# Altium PCB FluidGuard(RX).PcbDoc (part 2 of 3)
Units mm, origin at the board's own origin, x right, y up, seen from the top; angles counter-clockwise.
Board outline 125 x 150 mm, 4 copper layers (Top Layer, Mid Layer 1(GND), Mid Layer 2(GND), Bottom Layer), stack 1.586 mm thick; 143 components, 112 nets, 606 pads, 682 vias.
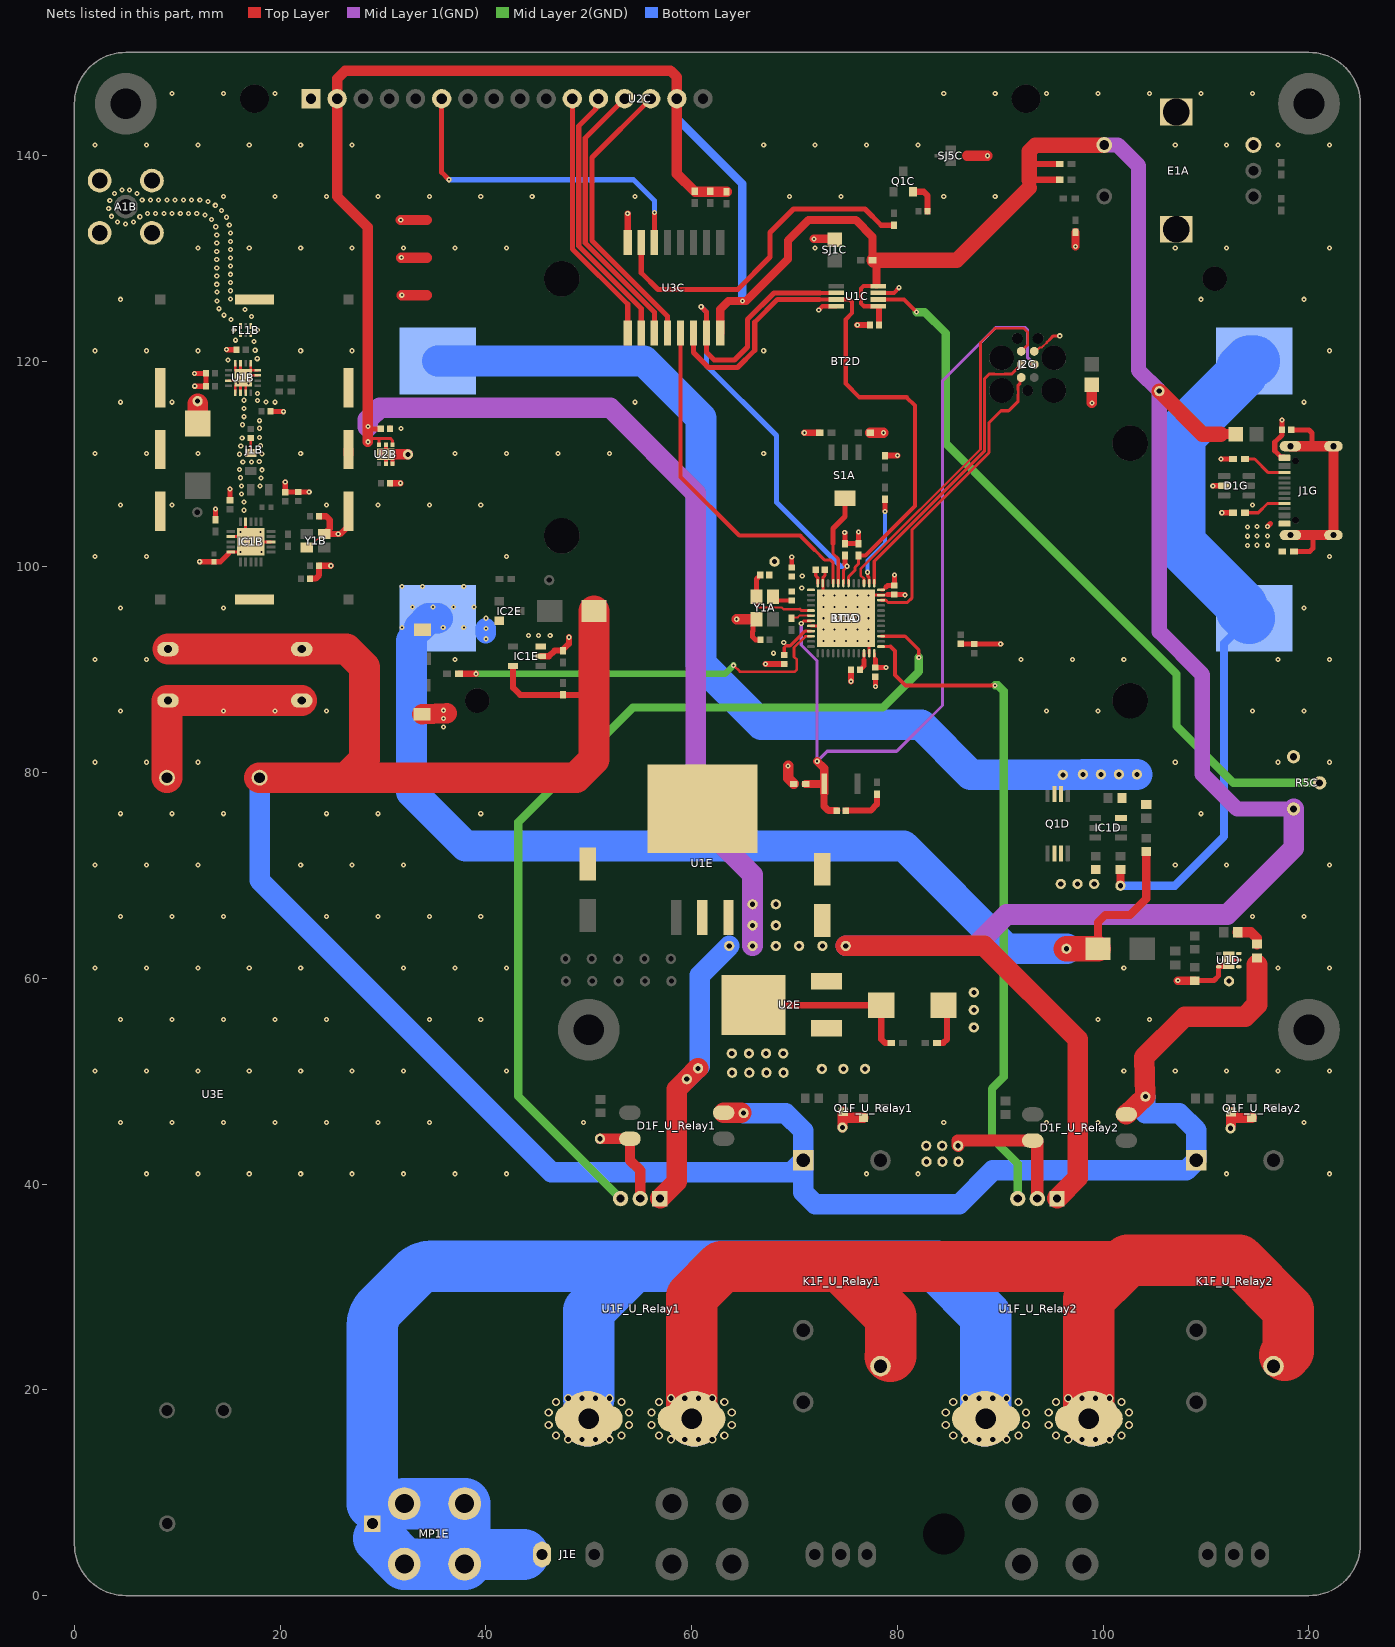
[diagram p4: the nets of this part, all layers, seen from the top]

## Part data (continued)
C6B: library part VJ0402A1R0BXQPW1BC, "CAP CER 1PF 10V C0G/NP0 0402", Device Package="0402 (1005 Metric)", Manufacturer="Vishay Vitramon", Operating Temperature="-55°C ~ 125°C", Supplier Part Number 1=720-VJ0402A1R0BXQPW1BCCT-ND, Temperature Coefficient="C0G, NP0", Tolerance=±0.1pF, Voltage - Rated=10V, Applications="General Purpose", Capacitance="1 pF", ComponentLink1Description=Datasheet, ComponentLink1URL=https://www.vishay.com/docs/28548/vjw1bcbascomseries.pdf, ComponentLink2Description="DigiKey Link", ComponentLink2URL=https://www.digikey.com/en/products/detail/vishay-vitramon/VJ0402A1R0BXQPW1BC/8301012, id=3394, LastUpdated=2023-01-03T20:03:41.757, Lifecycle Status=Active, Minimum Order=1, Mounting Type="Surface Mount, MLCC", Package / Case="0402 (1005 Metric)", Packaging=TapeAndReel, Part Number=VJ0402A1R0BXQPW1BC, Part Status=Active, PartId=26167, Price=0.01, Series=VJ, Size / Dimension="0.039\" L x 0.020\" W (1.00mm x 0.50mm)", Supplier 1=DigiKey, Thickness (Max)="0.022\" (0.55mm)"
C7B: library part KGM05ACG1H221FH, "CAP CER 220PF 50V NP0 0402", Device Package="0402 (1005 Metric)", Manufacturer="KYOCERA AVX", Operating Temperature="-55°C ~ 125°C", Supplier Part Number 1=478-KGM05ACG1H221FHCT-ND, Temperature Coefficient="C0G, NP0", Tolerance=±1%, Voltage - Rated=50V, Applications="General Purpose", Capacitance="220 pF", ComponentLink1Description=Datasheet, ComponentLink1URL=https://datasheets.kyocera-avx.com/C0GNP0-Dielectric.pdf, ComponentLink2Description="DigiKey Link", ComponentLink2URL=https://www.digikey.com/en/products/detail/kyocera-avx/KGM05ACG1H221FH/1597432, id=6699, LastUpdated=2023-05-20T19:03:18.857, Lifecycle Status=Active, Minimum Order=1, Mounting Type="Surface Mount, MLCC", Package / Case="0402 (1005 Metric)", Packaging=TapeAndReel, Part Number=KGM05ACG1H221FH, Part Status=Active, PartId=50371, Price=0.05, Series=-, Size / Dimension="0.039\" L x 0.020\" W (1.00mm x 0.50mm)", Supplier 1=DigiKey, Thickness (Max)="0.022\" (0.56mm)"
C8B C14B C15B: library part GRM155C81C105KE11D, "CAP CER 1UF 16V X6S 0402", Device Package="0402 (1005 Metric)", Manufacturer="Murata Electronics", Operating Temperature="-55°C ~ 105°C", Supplier Part Number 1=490-12700-1-ND, Temperature Coefficient=X6S, Tolerance=±10%, Voltage - Rated=16V, Applications="General Purpose", Capacitance="1 µF", ComponentLink1Description=Datasheet, ComponentLink1URL=https://search.murata.co.jp/Ceramy/image/img/A01X/G101/ENG/GRM155C81C105KE11-01.pdf, ComponentLink2Description="DigiKey Link", ComponentLink2URL=https://www.digikey.com/en/products/detail/murata-electronics/GRM155C81C105KE11D/4905091, id=824, LastUpdated=2023-01-03T20:04:13.167, Lifecycle Status=Active, Minimum Order=1, Mounting Type="Surface Mount, MLCC", Package / Case="0402 (1005 Metric)", Packaging=TapeAndReel, Part Number=GRM155C81C105KE11D, Part Status=Active, PartId=3683, Price=0.01, Series=GRM, Size / Dimension="0.039\" L x 0.020\" W (1.00mm x 0.50mm)", Supplier 1=DigiKey, Thickness (Max)="0.024\" (0.60mm)"
C9B: library part QSCF500Q0R3A1GV001T, "CAP CER 0.3PF 50V C0G/NP0 0402", Device Package="0402 (1005 Metric)", Manufacturer="Johanson Technology Inc.", Operating Temperature="-55°C ~ 125°C", Supplier Part Number 1=712-QSCF500Q0R3A1GV001TCT-ND, Temperature Coefficient="C0G, NP0", Tolerance=±0.05pF, Voltage - Rated=50V, Applications="RF, Microwave, High Frequency", Capacitance="0.3 pF", ComponentLink1Description=Datasheet, ComponentLink1URL=https://www.johansontechnology.com/downloads/catalog/johanson-technology-multi-layer-high-q-capacitors.pdf, ComponentLink2Description="DigiKey Link", ComponentLink2URL=https://www.digikey.com/en/products/detail/johanson-technology-inc/QSCF500Q0R3A1GV001T/1561513, Features="High Q, Low Loss, Ultra Low ESR", id=6223, LastUpdated=2023-04-03T19:03:42.407, Lifecycle Status=Active, Minimum Order=1, Mounting Type="Surface Mount, MLCC", Package / Case="0402 (1005 Metric)", Packaging=TapeAndReel, Part Number=QSCF500Q0R3A1GV001T, Part Status=Active, PartId=47766, Price=0.02, Series=S, Size / Dimension="0.040\" L x 0.020\" W (1.02mm x 0.51mm)", Supplier 1=DigiKey, Thickness (Max)="0.024\" (0.61mm)"
C10B: library part C0402C222J3GEC7411, "CAP CER 0402 2.2NF 25V C0G 5%", Capacitance="2200 pF", Device Package="0402 (1005 Metric)", Manufacturer=KEMET, Operating Temperature="-55°C ~ 125°C", Supplier Part Number 1=399-C0402C222J3GEC7411CT-ND, Temperature Coefficient="C0G, NP0", Tolerance=±5%, Voltage - Rated=25V, Applications="ESD Protection", ComponentLink1Description=Datasheet, ComponentLink1URL=https://api.kemet.com/component-edge/download/datasheet/C0402C222J3GEC7411.pdf, ComponentLink2Description="DigiKey Link", ComponentLink2URL=https://www.digikey.com/en/products/detail/kemet/C0402C222J3GEC7411/8645834, Features="Low ESL", id=4180, LastUpdated=2023-01-03T20:03:34.670, Lifecycle Status=Active, Minimum Order=1, Mounting Type="Surface Mount, MLCC", Package / Case="0402 (1005 Metric)", Packaging=TapeAndReel, Part Number=C0402C222J3GEC7411, Part Status=Active, PartId=33604, Price=0.01, Series="ESD SMD Comm C0G", Size / Dimension="0.039\" L x 0.020\" W (1.00mm x 0.50mm)", Supplier 1=DigiKey, Thickness (Max)="0.022\" (0.55mm)"
C11A C12A: library part LD02ZD104KAB2A, "CAP CER 0.1UF 10V X5R 0402", Device Package="0402 (1005 Metric)", Manufacturer="AVX Corporation", Operating Temperature="-55°C ~ 85°C", Supplier Part Number 1=478-4926-1-ND, Temperature Coefficient=X5R, Tolerance=±10%, Voltage - Rated=10V, Applications="General Purpose", Capacitance=0.1µF, ComponentLink1Description=Datasheet, ComponentLink1URL=http://datasheets.avx.com/LD-Series.pdf, ComponentLink2Description="DigiKey Link", ComponentLink2URL=http://digikey.com/product-detail/en/avx-corporation/LD02ZD104KAB2A/478-4926-1-ND/1858872, id=74, LastUpdated=2022-02-08T12:26:58.257, Lifecycle Status=Active, Minimum Order=1, Mounting Type="Surface Mount, MLCC", Package / Case="0402 (1005 Metric)", Packaging=TapeAndReel, Part Number=LD02ZD104KAB2A, Part Status=Active, PartId=1811, Price=0.20, Series=LD, Size / Dimension="0.039\" L x 0.020\" W (1.00mm x 0.50mm)", Supplier 1=DigiKey, Thickness (Max)="0.022\" (0.56mm)"
C11B: library part C0402C472K5RECAUTO, "CAP CER 0402 4.7NF 50V X7R 10%", Capacitance="4700 pF", Device Package="0402 (1005 Metric)", Manufacturer=KEMET, Operating Temperature="-55°C ~ 125°C", Ratings=AEC-Q200, Supplier Part Number 1=399-C0402C472K5RECAUTOCT-ND, Temperature Coefficient=X7R, Tolerance=±10%, Voltage - Rated=50V, Applications="Automotive, ESD Protection", ComponentLink1Description=Datasheet, ComponentLink1URL=https://api.kemet.com/component-edge/download/datasheet/C0402C472K5RECAUTO.pdf, ComponentLink2Description="DigiKey Link", ComponentLink2URL=https://www.digikey.com/en/products/detail/kemet/C0402C472K5RECAUTO/8646475, id=3941, LastUpdated=2023-01-03T20:03:32.387, Lifecycle Status=Active, Minimum Order=1, Mounting Type="Surface Mount, MLCC", Package / Case="0402 (1005 Metric)", Packaging=TapeAndReel, Part Number=C0402C472K5RECAUTO, Part Status=Active, PartId=33184, Price=0.01, Series="ESD SMD Auto X7R", Size / Dimension="0.039\" L x 0.020\" W (1.00mm x 0.50mm)", Supplier 1=DigiKey, Thickness (Max)="0.022\" (0.55mm)"
C12B C13B: library part 0402N220J250CT, "CAP CER 22PF 25V C0G/NP0 0402", Device Package="0402 (1005 Metric)", Manufacturer="Walsin Technology Corporation", Operating Temperature="-55°C ~ 125°C", Supplier Part Number 1=1292-1282-1-ND, Temperature Coefficient="C0G, NP0", Tolerance=±5%, Voltage - Rated=25V, Applications="General Purpose", Capacitance="22 pF", ComponentLink1Description=Datasheet, ComponentLink1URL=http://www.passivecomponent.com/wp-content/uploads/2018/10/MLCC.pdf, ComponentLink2Description="DigiKey Link", ComponentLink2URL=https://www.digikey.com/en/products/detail/walsin-technology-corporation/0402N220J250CT/9354779, id=507, LastUpdated=2023-01-03T20:04:15.580, Lifecycle Status=Active, Minimum Order=1, Mounting Type="Surface Mount, MLCC", Package / Case="0402 (1005 Metric)", Packaging=CutTape, Part Number=0402N220J250CT, Part Status=Active, PartId=2676, Price=0.01, Series=-, Size / Dimension="0.039\" L x 0.020\" W (1.00mm x 0.50mm)", Supplier 1=DigiKey, Thickness (Max)="0.022\" (0.55mm)"
D1A: library part HSMG-C280, "LED GREEN DIFFUSED 0402 SMD", Current - Test=20mA, Device Package="0402 (1005 Metric)", Lens Color=White, Manufacturer="Broadcom Limited", Millicandela Rating=15mcd, Supplier Device Package=0402, Supplier Part Number 1=516-3066-1-ND, Voltage - Forward (Vf) (Typ)=2.2V, Color=Green, ComponentLink1Description=Datasheet, ComponentLink1URL=https://docs.broadcom.com/docs/AV02-0602EN, ComponentLink2Description="DigiKey Link", ComponentLink2URL=https://www.digikey.com/en/products/detail/broadcom-limited/HSMG-C280/1235358, Configuration=Standard, Height (Max)=0.40mm, id=697, LastUpdated=2023-01-02T20:56:26.750, Lens Size="1.00mm x 0.50mm", Lens Style="Rectangle with Flat Top", Lens Transparency=Diffused, Lifecycle Status=Active, Minimum Order=1, Mounting Type="Surface Mount", Package / Case="0402 (1005 Metric)", Packaging=TapeAndReel, Part Number=HSMG-C280, Part Status=Active, PartId=697, Price=0.08, Series=-, Size / Dimension="1.00mm L x 0.50mm W", Supplier 1=DigiKey, Viewing Angle=130°, Wavelength - Dominant=572nm, Wavelength - Peak=570nm
D1D: "DIODE GEN PURP 50V 1A SMB", Capacitance @ Vr, F="15pF @ 4V, 1MHz", Current - Average Rectified (Io)=1A, Current - Reverse Leakage @ Vr="5 µA @ 50 V", Manufacturer="Diodes Incorporated", Operating Temperature - Junction="-65°C ~ 150°C", Package / Case="DO-214AA, SMB", Supplier Device Package=SMB, Supplier Part Number 1=RS1AB-FDICT-ND, Voltage - DC Reverse (Vr) (Max)="50 V", Voltage - Forward (Vf) (Max) @ If="1.3 V @ 1 A", ComponentLink1Description=Datasheet, ComponentLink1URL=https://www.diodes.com/assets/Datasheets/ds15002.pdf, ComponentLink2Description="DigiKey Link", ComponentLink2URL=https://www.digikey.com/en/products/detail/diodes-incorporated/RS1AB-13-F/814456, Diode Type=Standard, id=27, LastUpdated=2023-01-02T20:53:12.200, Lifecycle Status=Active, Minimum Order=1, Mounting Type="Surface Mount", Packaging=TapeAndReel, Part Number=RS1AB-13-F, Part Status=Active, PartId=27, Price=0.07, Reverse Recovery Time (Trr)="150 ns", Series=-, Speed="Fast Recovery =< 500ns, > 200mA (Io)", Supplier 1=DigiKey
D1E: "DIODE GEN PURP 50V 2A SMB", Capacitance @ Vr, F="25pF @ 4V, 1MHz", Current - Average Rectified (Io)=2A, Current - Reverse Leakage @ Vr="5 µA @ 50 V", Manufacturer="Diodes Incorporated", Operating Temperature - Junction="-55°C ~ 150°C", Package / Case="DO-214AA, SMB", Supplier Device Package=SMB, Supplier Part Number 1=ES2A-FDICT-ND, Voltage - DC Reverse (Vr) (Max)="50 V", Voltage - Forward (Vf) (Max) @ If="920 mV @ 2 A", ComponentLink1Description=Datasheet, ComponentLink1URL=https://www.diodes.com/assets/Datasheets/ds14002.pdf, ComponentLink2Description="DigiKey Link", ComponentLink2URL=https://www.digikey.com/en/products/detail/diodes-incorporated/ES2A-13-F/815105, Diode Type=Standard, id=319, LastUpdated=2023-01-02T20:53:06.797, Lifecycle Status=Active, Minimum Order=1, Mounting Type="Surface Mount", Packaging=TapeAndReel, Part Number=ES2A-13-F, Part Status=Active, PartId=319, Price=0.22, Reverse Recovery Time (Trr)="25 ns", Series=-, Speed="Fast Recovery =< 500ns, > 200mA (Io)", Supplier 1=DigiKey
D1F_U_Relay1 D1F_U_Relay2: "OPTOISOLATR 5KV TRANSISTOR 4-SMD", Current - Dc Forward (If) (Max)=50mA, Current Transfer Ratio (Max)="600% @ 5mA", Current Transfer Ratio (Min)="50% @ 5mA", Device Package="4-SMD, Gull Wing", Manufacturer="Lite-On Inc.", Operating Temperature="-30°C ~ 110°C", Supplier Device Package=4-SMD, Supplier Part Number 1=160-1893-1-ND, Voltage - Forward (Vf) (Typ)=1.2V, Voltage - Isolation=5000Vrms, Voltage - Output (Max)=35V, ComponentLink1Description=Datasheet, ComponentLink1URL=http://optoelectronics.liteon.com/upload/download/DS-70-96-0016/LTV-8X7%20series%20201610%20.pdf, ComponentLink2Description="DigiKey Link", ComponentLink2URL=http://digikey.com/product-detail/en/lite-on-inc/LTV-817S-TA1/160-1893-1-ND/3306757, Current - Output / Channel=50mA, id=2, Input Type=DC, LastUpdated=2020-01-12T21:58:48.100, Lifecycle Status=Active, Minimum Order=1, Mounting Type="Surface Mount", Number of Channels=1, Output Type=Transistor, Package / Case="4-SMD, Gull Wing", Packaging=TapeAndReel, Part Number=LTV-817S-TA1, Part Status=Active, Price=0.12, Rise / Fall Time (Typ)="4µs, 3µs", Series=-, Supplier 1=DigiKey, Vce Saturation (Max)=200mV
D1G: "Low-Capacitance ESD Protection USB", Manufacturer=STMicroelectronics, Distributor Link=https://www.mouser.de/ProductDetail/STMicroelectronics/USBLC6-2SC6?qs=po45yt2pPpu%2FhNIlwQdTlg%3D%3D, Manufacturer Part Number=USBLC6-2SC6
D2E: library part SM0402YC, "LED YELLOW CLEAR 0402 SMD", Current - Test=20mA, Device Package="0402 (1005 Metric)", Lens Color=Colorless, Manufacturer="Bivar Inc.", Millicandela Rating=145mcd, Supplier Device Package=0402, Supplier Part Number 1=492-2206-1-ND, Voltage - Forward (Vf) (Typ)=2V, Color=Yellow, ComponentLink1Description=Datasheet, ComponentLink1URL=https://www.bivar.com/Files/Datasheets/SM0402YC.pdf, ComponentLink2Description="DigiKey Link", ComponentLink2URL=https://www.digikey.com/en/products/detail/bivar-inc/SM0402YC/6810862, Configuration=0402, Height (Max)=0.71mm, id=170, LastUpdated=2023-01-02T20:57:30.187, Lens Size="0.50mm x 1.00mm", Lens Style="Rectangle with Flat Top", Lens Transparency=Clear, Lifecycle Status=Active, Minimum Order=1, Mounting Type="Surface Mount", Package / Case="0402 (1005 Metric)", Packaging=TapeAndReel, Part Number=SM0402YC, Part Status=Active, PartId=170, Price=0.16, Series=-, Size / Dimension="1.00mm L x 0.50mm W", Supplier 1=DigiKey, Viewing Angle=130°, Wavelength - Dominant=592nm, Wavelength - Peak=593nm
E1A: "ROTARY ENCODER MECHANICAL 12PPR", Capacitance=4315F, Manufacturer="Bourns Inc.", Manufacturer 1=Bourns, Max Operating Temperature=70°C, Min Operating Temperature=-30°C, Package Quantity=75, Supplier Part Number 1=PEC11R-4315F-S0012-ND, Actuator Type="6mm Dia Flatted End", Built in Switch=Yes, ComponentLink1Description=Datasheet, ComponentLink1URL=https://www.bourns.com/docs/Product-Datasheets/PEC11R.pdf, ComponentLink2Description="DigiKey Link", ComponentLink2URL=http://digikey.com/product-detail/en/bourns-inc/PEC11R-4315F-S0012/PEC11R-4315F-S0012-ND/4699232, Detent=Yes, Encoder Type=Mechanical, Height=13.4mm, id=3, LastUpdated=2020-06-25T15:43:11.617, Length=21.5mm, Lifecycle Status=Active, Manufacturer Part Number 1=PEC11R-4315F-S0012, Minimum Order=1, Mount="Through Hole,Panel,PCB", Mounting Type="Panel, PCB Through Hole", Number of Channels=2, Orientation=Vertical, Output Type="Quadrature (Incremental)", Packaging=Unknown, Part Number=PEC11R-4315F-S0012, Part Status=Active, Price=1.91, Pricing 1="1=1.91000, 10=1.68200, 25=1.50800, 50=1.45000, 100=1.39200, 250=1.33400, 500=1.10200, 1000=1.04400, 5000=0.87000 (USD)", Pulses per Revolution=12, RoHS=Yes, Rotational Life (Cycles Min)=30K, Series=PEC11R, Stock 1=453, Supplier 1=DigiKey, Termination="PC Pin", Termination Style="PC Pin", Width=12.5mm
FL1B: "Filter", Manufacturer_Name="JOHANSON TECHNOLOGY", Mouser Part Number=609-2450LP14A100T, Arrow Part Number=2450LP14A100T, Arrow Price/Stock=https://www.arrow.com/en/products/2450lp14a100t/johanson-dielectrics?region=nac, Datasheet Link=https://componentsearchengine.com/Datasheets/1/2450LP14A100T.pdf, Height=0.7mm, Manufacturer_Part_Number=2450LP14A100T, Mouser Price/Stock=https://www.mouser.co.uk/ProductDetail/Johanson-Technology/2450LP14A100T?qs=yCnrNFeXz%252BgP94nTCDCKIA%3D%3D, Supplier 1=Mouser, Supplier Part Number 1=609-2450LP14A100T
IC1B: "Integrated Circuit", Manufacturer_Name="Nordic Semiconductor", Mouser Part Number=949-NRF24L01P-R7, Arrow Part Number=NRF24L01P-R7, Arrow Price/Stock=null?region=nac, Datasheet Link=https://www.mouser.com/ds/2/297/nRF24L01P-1187709.pdf, Height=0.95mm, Manufacturer_Part_Number=NRF24L01P-R7, Mouser Price/Stock=https://www.mouser.co.uk/ProductDetail/Nordic-Semiconductor/nRF24L01P-R7?qs=yd0qOhnSiDe8zMRXiZkGiQ%3D%3D, Supplier 1=Avnet, Supplier Part Number 1=NRF24L01P-R7
IC1D: "BMS", Manufacturer_Name=Hycon, Datasheet Link=https://datasheet.lcsc.com/szlcsc/HYCON-Tech-HY2120CB_C116509.pdf, Height=1.4mm, Manufacturer_Part_Number=HY2120-CB
IC1E: "IC OPAMP GP 1 CIRCUIT SOT23-5", Current - Input Bias=45nA, Current - Output / Channel=40mA, Current - Supply=660µA, Device Package="SC-74A, SOT-753", Manufacturer="Texas Instruments", Operating Temperature="-40°C ~ 85°C", Supplier Device Package=SOT-23-5, Supplier Part Number 1=LM321MFX/NOPBCT-ND, Voltage - Input Offset=2mV, Voltage - Supply, Single/Dual (±)="3V ~ 30V, ±1.5V ~ 15V", Amplifier Type="General Purpose", ComponentLink1Description=Datasheet, ComponentLink1URL=http://www.ti.com/general/docs/suppproductinfo.tsp?distId=10&gotoUrl=http%3A%2F%2Fwww.ti.com%2Flit%2Fgpn%2Flm321, ComponentLink2Description="DigiKey Link", ComponentLink2URL=http://digikey.com/product-detail/en/texas-instruments/LM321MFX-NOPB/LM321MFX-NOPBCT-ND/3440175, Gain Bandwidth Product=1MHz, id=11, LastUpdated=2020-03-30T15:10:58.873, Lifecycle Status=Active, Minimum Order=1, Mounting Type="Surface Mount", Number Of Circuits=1, Package / Case="SC-74A, SOT-753", Packaging=TapeAndReel, Part Number=LM321MFX/NOPB, Part Status=Active, PartId=11, Price=0.23, Series=-, Slew Rate=0.4V/µs, Supplier 1=DigiKey
IC2E: "MOSFET P-CH 20V 2.4A SSOT-3", Current - Continuous Drain (Id) @ 25°C="2.4A (Ta)", Drain To Source Voltage (Vdss)=20V, Drive Voltage (Max Rds On,  Min Rds On)="1.8V, 4.5V", Input Capacitance (Ciss) (Max) @ Vds="1310pF @ 10V", Manufacturer="ON Semiconductor", Operating Temperature="-55°C ~ 150°C (TJ)", Package / Case="TO-236-3, SC-59, SOT-23-3", Power Dissipation (Max)="500mW (Ta)", Supplier Device Package=SuperSOT-3, Supplier Part Number 1=FDN304PZCT-ND, ComponentLink1Description=Datasheet, ComponentLink1URL=https://www.onsemi.com/pub/Collateral/FDN304PZ-D.pdf, ComponentLink2Description="DigiKey Link", ComponentLink2URL=http://digikey.com/product-detail/en/on-semiconductor/FDN304PZ/FDN304PZCT-ND/1849909, FET Type=P-Channel, Gate Charge (Qg) (Max) @ Vgs="20nC @ 4.5V", id=80, LastUpdated=2023-01-02T21:05:00.863, Lifecycle Status=Active, Minimum Order=1, Mounting Type="Surface Mount", Packaging=TapeAndReel, Part Number=FDN304PZ, Part Status=Active, Price=0.18, Rds On (Max) @ Id, Vgs="52mOhm @ 2.4A, 4.5V", Series=PowerTrench®, Supplier 1=DigiKey, Technology="MOSFET (Metal Oxide)", Vgs (Max)=±8V, Vgs(Th) (Max) @ Id="1.5V @ 250µA"
J1B: "RF Shield Frame 0.728 (18.50mm) X 1.156 (29.36mm) Solder", Package=None, Availability=Unavailable, DigiKey-Purchase-URL=https://snapeda.com/shop?store=DigiKey&id=587698, MF="Laird Technologies", Mouser-Purchase-URL=https://snapeda.com/shop?store=Mouser&id=587698, MP=BMI-S-209-F, Price=None, SnapEDA_Link=https://www.snapeda.com/parts/BMI-S-209-F/Laird%20Technologies%20EMI/view-part/587698/?ref=snap
J1E J1F_U_Relay1 J1F_U_Relay2: "TERM BLK 3P SIDE ENT 2.54MM PCB", Color=Green, Current=10A, Manufacturer="TE Connectivity AMP Connectors", Supplier Part Number 1=A98334-ND, Voltage=150V, ComponentLink1Description=Datasheet, ComponentLink1URL=https://www.te.com/commerce/DocumentDelivery/DDEController?Action=srchrtrv&DocNm=282834&DocType=Customer+Drawing&DocLang=English, ComponentLink2Description="DigiKey Link", ComponentLink2URL=http://digikey.com/product-detail/en/te-connectivity-amp-connectors/282834-3/A98334-ND/1153264, id=2, LastUpdated=2020-01-15T04:15:50.317, Lifecycle Status=Active, Mating Orientation="Horizontal with Board", Minimum Order=1, Mounting Type="Through Hole", Number Of Levels=1, Packaging=Bulk, Part Number=282834-3, Part Status=Active, Pitch="0.100\" (2.54mm)", Positions Per Level=3, Price=2.01, Series=Buchanan, Supplier 1=DigiKey, Wire Gauge="16-30 AWG", Wire Termination="Screw - Rising Cage Clamp"
J1G: "USB Connector Type C SMT 12 Pin", Manufacturer=GCT, Distributor Link=https://eu.mouser.com/ProductDetail/GCT/USB4105-GF-A-060?qs=QNEnbhJQKvY2mocwNJzgfA%3D%3D, Manufacturer Part Number=USB4105-GF-A-060
J2G: "Tag-Connect No-Solder SWD Debug Connector DO NOT PLACE", Manufacturer=Tag-Connect, Supplier Part Number 1=TC2030-MCP-NLTC-ND, Manufacturer Part Number=TC2030, Supplier 1=Digikey
K1F_U_Relay1 K1F_U_Relay2: library part CMP-08822-000109-1, "RELAY GEN PURPOSE SPDT 10A 12V", Coil Current=43.6mA, Coil Power=530mW, Coil Resistance=275R, Coil Voltage (DC)=12V, Contact Current Rating=10A, Max Operating Temperature=70°C, Max Voltage Rating (AC)=380V, Max Voltage Rating (DC)=125V, Min Operating Temperature=-40°C, Package Quantity=100, Coil Type=Non-Latching, Contact Material=Silver, Depth=13mm, Height=25.3mm, Lead Free="Lead Free", Length=29mm, Max Current Rating=10A, Mount="Through Hole", Number of Pins=5, Operate Time=15ms, Packaging=Tray, Power Consumption=530mW, Power Rating=530mW, Radiation Hardening=No, REACH SVHC="No SVHC", Relay Type="General Purpose", Release Time=5ms, Series=G2R, Termination="PC Pin", Throw Configuration=SPDT, Voltage Rating (AC)=380V, Weight=17g, Width=13mm
L1B: library part LQW18AS3N9G0ZD, "FIXED IND 3.9NH 700MA 80 MOHM", Current Rating (Amps)=700mA, DC Resistance (DCR)="80mOhm Max", Device Package="0603 (1608 Metric)", Frequency - Self Resonant=6.9GHz, Inductance Frequency - Test=250MHz, Manufacturer="Murata Electronics", Operating Temperature="-55°C ~ 125°C", Q @ Freq="22 @ 250MHz", Ratings=AEC-Q200, Supplier Part Number 1=490-15828-1-ND, Tolerance=±2%, ComponentLink1Description=Datasheet, ComponentLink1URL=https://search.murata.co.jp/Ceramy/image/img/P02/JELF243A-9139.pdf, ComponentLink2Description="DigiKey Link", ComponentLink2URL=http://digikey.com/product-detail/en/murata-electronics/LQW18AS3N9G0ZD/490-15828-1-ND/6800493, Height - Seated (Max)="0.039\" (1.00mm)", id=1055, Inductance=3.9nH, LastUpdated=2020-09-06T11:05:18.113, Lifecycle Status=Active, Material - Core=Non-Magnetic, Minimum Order=1, Mounting Type="Surface Mount", Package / Case="0603 (1608 Metric)", Packaging=TapeAndReel, Part Number=LQW18AS3N9G0ZD, Part Status=Active, PartId=1055, Price=0.08, Series=LQW18, Shielding=Unshielded, Size / Dimension="0.063\" L x 0.031\" W (1.60mm x 0.80mm)", Supplier 1=DigiKey, Supplier Device Package="0603 (1608 Metric)", Type=Wirewound
L2B: library part LQW18AS8N2G0ZD, "FIXED IND 8.2NH 700MA 115 MOHM", Current Rating (Amps)=700mA, DC Resistance (DCR)="115mOhm Max", Device Package="0603 (1608 Metric)", Frequency - Self Resonant=4.2GHz, Inductance Frequency - Test=250MHz, Manufacturer="Murata Electronics", Operating Temperature="-55°C ~ 125°C", Q @ Freq="30 @ 250MHz", Ratings=AEC-Q200, Supplier Part Number 1=490-15856-1-ND, Tolerance=±2%, ComponentLink1Description=Datasheet, ComponentLink1URL=https://search.murata.co.jp/Ceramy/image/img/P02/JELF243A-9139.pdf, ComponentLink2Description="DigiKey Link", ComponentLink2URL=http://digikey.com/product-detail/en/murata-electronics/LQW18AS8N2G0ZD/490-15856-1-ND/6800521, Height - Seated (Max)="0.039\" (1.00mm)", id=999, Inductance=8.2nH, LastUpdated=2020-09-06T11:05:17.697, Lifecycle Status=Active, Material - Core=Non-Magnetic, Minimum Order=1, Mounting Type="Surface Mount", Package / Case="0603 (1608 Metric)", Packaging=TapeAndReel, Part Number=LQW18AS8N2G0ZD, Part Status=Active, PartId=999, Price=0.08, Series=LQW18, Shielding=Unshielded, Size / Dimension="0.063\" L x 0.031\" W (1.60mm x 0.80mm)", Supplier 1=DigiKey, Supplier Device Package="0603 (1608 Metric)", Type=Wirewound
L3B: library part LQW15AN2N7G8ZD, "FIXED IND 2.7NH 1.5A 47MOHM SMD", Current Rating (Amps)="1.5 A", DC Resistance (DCR)="47mOhm Max", Device Package="0402 (1005 Metric)", Frequency - Self Resonant=14GHz, Inductance Frequency - Test="100 MHz", Manufacturer="Murata Electronics", Operating Temperature="-55°C ~ 125°C", Q @ Freq="28 @ 250MHz", Ratings=AEC-Q200, Supplier Part Number 1=490-15398-1-ND, Tolerance=±2%, ComponentLink1Description=Datasheet, ComponentLink1URL=https://search.murata.co.jp/Ceramy/image/img/P02/JELF243A-9138.pdf, ComponentLink2Description="DigiKey Link", ComponentLink2URL=https://www.digikey.com/en/products/detail/murata-electronics/LQW15AN2N7G8ZD/6798823, Height - Seated (Max)="0.024\" (0.60mm)", id=106, Inductance="2.7 nH", LastUpdated=2023-01-02T20:59:33.170, Lifecycle Status=Active, Material - Core=Non-Magnetic, Minimum Order=1, Mounting Type="Surface Mount", Package / Case="0402 (1005 Metric)", Packaging=TapeAndReel, Part Number=LQW15AN2N7G8ZD, Part Status=Active, PartId=106, Price=0.07, Series=LQW15, Shielding=Unshielded, Size / Dimension="0.039\" L x 0.024\" W (1.00mm x 0.60mm)", Supplier 1=DigiKey, Supplier Device Package="0402 (1005 Metric)", Type=Wirewound
MP1E MP1F_U_Relay1 MP1F_U_Relay2: "TERM REDCUBE M3 4PIN PCB", Current Rating (Amps)="50 A", Manufacturer="Würth Elektronik", Supplier Part Number 1=732-10885-1-ND, ComponentLink1Description=Datasheet, ComponentLink1URL=https://katalog.we-online.de/em/datasheet/74650173R.pdf, ComponentLink2Description="DigiKey Link", ComponentLink2URL=https://www.digikey.com/en/products/detail/würth-elektronik/74650173R/6643981, Features="Screw not Included", id=4, LastUpdated=2022-08-07T20:42:53.530, Lifecycle Status=Active, Minimum Order=1, Mounting Type="Through Hole", Number of Pins=4, Packaging=TapeAndReel, Part Number=74650173R, Part Status=Active, Price=2.63, Screw Size=M3, Series="REDCUBE WP-THRBU", Supplier 1=DigiKey, Terminal Type="Screw Terminal, Power Tap", Termination=Solder
Q1C Q1F_U_Relay1 Q1F_U_Relay2: "TRANS NPN 40V 0.6A SOT23-3", Current - Collector (Ic) (Max)="600 mA", Current - Collector Cutoff (Max)="10nA (ICBO)", DC Current Gain (Hfe) (Min) @ Ic, Vce="100 @ 150mA, 10V", Frequency - Transition=300MHz, Manufacturer="Diodes Incorporated", Operating Temperature="-55°C ~ 150°C (TJ)", Package / Case="TO-236-3, SC-59, SOT-23-3", Power - Max="310 mW", Supplier Device Package=SOT-23-3, Supplier Part Number 1=MMBT2222A-FDICT-ND, Voltage - Collector Emitter Breakdown (Max)="40 V", ComponentLink1Description=Datasheet, ComponentLink1URL=https://www.diodes.com/assets/Datasheets/ds30041.pdf, ComponentLink2Description="DigiKey Link", ComponentLink2URL=https://www.digikey.com/en/products/detail/diodes-incorporated/MMBT2222A-7-F/814503, id=84, LastUpdated=2023-01-02T21:11:05.533, Lifecycle Status=Active, Minimum Order=1, Mounting Type="Surface Mount", Packaging=TapeAndReel, Part Number=MMBT2222A-7-F, Part Status=Active, PartId=84, Price=0.02, Series="Automotive, AEC-Q101", Supplier 1=DigiKey, Transistor Type=NPN, Vce Saturation (Max) @ Ib, Ic="1V @ 50mA, 500mA"
Q1D: "N/A", Package=Package, Availability="Not in stock", Check_prices=https://www.snapeda.com/parts/FS8205A/Fortune+Semiconductor/view-part/?ref=eda, MF="Fortune Semiconductor", MP=FS8205A, Price=None, SnapEDA_Link=https://www.snapeda.com/parts/FS8205A/Fortune+Semiconductor/view-part/?ref=snap
R1A R2A: library part AC0402FR-074K7L, "RES SMD 4.7K OHM 1% 1/16W 0402", Device Package="0402 (1005 Metric)", Manufacturer=Yageo, Operating Temperature="-55°C ~ 155°C", Power (Watts)="0.063W, 1/16W", Ratings=AEC-Q200, Supplier Device Package=0402, Supplier Part Number 1=YAG3497CT-ND, Temperature Coefficient=±100ppm/°C, Tolerance=±1%, ComponentLink1Description=Datasheet, ComponentLink1URL=https://www.yageo.com/upload/media/product/productsearch/datasheet/rchip/PYu-AC_51_RoHS_L_7.pdf, ComponentLink2Description="DigiKey Link", ComponentLink2URL=https://www.digikey.com/en/products/detail/yageo/AC0402FR-074K7L/5895396, Composition="Thick Film", Features="Automotive AEC-Q200, Moisture Resistant", Height - Seated (Max)="0.015\" (0.37mm)", id=4996, LastUpdated=2023-01-02T20:21:09.847, Lifecycle Status=Active, Minimum Order=1, Number Of Terminations=2, Package / Case="0402 (1005 Metric)", Packaging=CutTape, Part Number=AC0402FR-074K7L, Part Status=Active, PartId=12051, Price=0.01, Resistance="4.7 kOhms", Series=AC, Size / Dimension="0.039\" L x 0.020\" W (1.00mm x 0.50mm)", Supplier 1=DigiKey
R1B: library part AC0402FR-1322KL, "RES 22K OHM 1% 1/16W 0402", Device Package="0402 (1005 Metric)", Manufacturer=Yageo, Operating Temperature="-55°C ~ 155°C", Power (Watts)="0.063W, 1/16W", Ratings=AEC-Q200, Supplier Device Package=0402, Supplier Part Number 1=13-AC0402FR-1322KLCT-ND, Temperature Coefficient=±100ppm/°C, Tolerance=±1%, ComponentLink1Description=Datasheet, ComponentLink1URL=https://www.yageo.com/upload/media/product/productsearch/datasheet/rchip/PYu-AC_51_RoHS_L_8.pdf, ComponentLink2Description="DigiKey Link", ComponentLink2URL=https://www.digikey.com/en/products/detail/yageo/AC0402FR-1322KL/14008249, Composition="Thick Film", Height - Seated (Max)="0.015\" (0.37mm)", id=12344, LastUpdated=2023-01-02T20:20:07.897, Lifecycle Status=Active, Minimum Order=1, Number Of Terminations=2, Package / Case="0402 (1005 Metric)", Packaging=CutTape, Part Number=AC0402FR-1322KL, Part Status=Active, PartId=65198, Price=0.01, Resistance="22 kOhms", Series=AC, Size / Dimension="0.039\" L x 0.020\" W (1.00mm x 0.50mm)", Supplier 1=DigiKey
R1C R2B R2C R3B R3C R4C: library part AC0402FR-1310KL, "RES 10K OHM 1% 1/16W 0402", Device Package="0402 (1005 Metric)", Manufacturer=Yageo, Operating Temperature="-55°C ~ 155°C", Power (Watts)="0.063W, 1/16W", Ratings=AEC-Q200, Supplier Device Package=0402, Supplier Part Number 1=13-AC0402FR-1310KLCT-ND, Temperature Coefficient=±100ppm/°C, Tolerance=±1%, ComponentLink1Description=Datasheet, ComponentLink1URL=https://www.yageo.com/upload/media/product/productsearch/datasheet/rchip/PYu-AC_51_RoHS_L_8.pdf, ComponentLink2Description="DigiKey Link", ComponentLink2URL=https://www.digikey.com/en/products/detail/yageo/AC0402FR-1310KL/12756397, Composition="Thick Film", Features="Automotive AEC-Q200, Moisture Resistant", Height - Seated (Max)="0.015\" (0.37mm)", id=13132, LastUpdated=2023-01-02T20:19:54.633, Lifecycle Status=Active, Minimum Order=1, Number Of Terminations=2, Package / Case="0402 (1005 Metric)", Packaging=CutTape, Part Number=AC0402FR-1310KL, Part Status=Active, PartId=69220, Price=0.01, Resistance="10 kOhms", Series=AC, Size / Dimension="0.039\" L x 0.020\" W (1.00mm x 0.50mm)", Supplier 1=DigiKey
R1D: library part RMCF0603FT1M62, "RES 1.62M OHM 1% 1/10W 0603", Device Package="0603 (1608 Metric)", Manufacturer="Stackpole Electronics Inc", Operating Temperature="-55°C ~ 155°C", Power (Watts)="0.1W, 1/10W", Ratings=AEC-Q200, Supplier Device Package=0603, Supplier Part Number 1=RMCF0603FT1M62CT-ND, Temperature Coefficient=±200ppm/°C, Tolerance=±1%, ComponentLink1Description=Datasheet, ComponentLink1URL=https://www.seielect.com/catalog/sei-rmcf_rmcp.pdf, ComponentLink2Description="DigiKey Link", ComponentLink2URL=https://www.digikey.com/en/products/detail/stackpole-electronics-inc/RMCF0603FT1M62/1713506, Composition="Thick Film", Features="Automotive AEC-Q200", Height - Seated (Max)="0.022\" (0.55mm)", id=12536, LastUpdated=2023-01-02T20:28:35.533, Lifecycle Status=Active, Minimum Order=1, Number Of Terminations=2, Package / Case="0603 (1608 Metric)", Packaging=CutTape, Part Number=RMCF0603FT1M62, Part Status=Active, PartId=26334, Price=0.01, Resistance="1.62 MOhms", Series=RMCF, Size / Dimension="0.061\" L x 0.031\" W (1.55mm x 0.80mm)", Supplier 1=DigiKey
R1E R2E R3A R5A R8A R9A R10A R11A R13A R14A R15A R16A: library part AA0402FR-0710KL, "RES SMD 10K OHM 1% 1/16W 0402", Device Package="0402 (1005 Metric)", Manufacturer=Yageo, Operating Temperature="-55°C ~ 155°C", Power (Watts)="0.063W, 1/16W", Ratings=AEC-Q200, Supplier Device Package=0402, Supplier Part Number 1=13-AA0402FR-0710KLCT-ND, Temperature Coefficient=±150ppm/°C, Tolerance=±1%, ComponentLink1Description=Datasheet, ComponentLink1URL=https://www.yageo.com/upload/media/product/productsearch/datasheet/rchip/PYu-AA_51_RoHS_L_3.pdf, ComponentLink2Description="DigiKey Link", ComponentLink2URL=https://www.digikey.com/en/products/detail/yageo/AA0402FR-0710KL/5887729, Composition="Thick Film", Features="Anti-Sulfur, Automotive AEC-Q200, Moisture Resistant", Height - Seated (Max)="0.015\" (0.37mm)", id=10610, LastUpdated=2023-01-02T20:20:10.303, Lifecycle Status=Active, Minimum Order=1, Number Of Terminations=2, Package / Case="0402 (1005 Metric)", Packaging=TapeAndReel, Part Number=AA0402FR-0710KL, Part Status=Active, PartId=59190, Price=0.01, Resistance="10 kOhms", Series=AA, Size / Dimension="0.039\" L x 0.020\" W (1.00mm x 0.50mm)", Supplier 1=DigiKey
R1F_U_Relay1 R1F_U_Relay2: library part RK73B1JTTD241J, "RES 240 OHM 5% 1/8W 0603", Device Package="0603 (1608 Metric)", Manufacturer="KOA Speer Electronics, Inc.", Operating Temperature="-55°C ~ 155°C", Power (Watts)="0.125W, 1/8W", Ratings=AEC-Q200, Supplier Device Package=0603, Supplier Part Number 1=2019-RK73B1JTTD241JCT-ND, Temperature Coefficient=±200ppm/°C, Tolerance=±5%, ComponentLink1Description=Datasheet, ComponentLink1URL=http://www.koaspeer.com/catimages/Products/RK73B/RK73B.pdf, ComponentLink2Description="DigiKey Link", ComponentLink2URL=https://www.digikey.com/en/products/detail/koa-speer-electronics-inc/RK73B1JTTD241J/9844758, Composition="Thick Film", Features="Automotive AEC-Q200", Height - Seated (Max)="0.022\" (0.55mm)", id=492, LastUpdated=2023-01-02T20:30:22.853, Lifecycle Status=Active, Minimum Order=1, Number Of Terminations=2, Package / Case="0603 (1608 Metric)", Packaging=CutTape, Part Number=RK73B1JTTD241J, Part Status=Active, PartId=5905, Price=0.01, Resistance="240 Ohms", Series=RK73B, Size / Dimension="0.063\" L x 0.031\" W (1.60mm x 0.80mm)", Supplier 1=DigiKey
R1G R2G: library part AC0402FR-075K1L, "RES SMD 5.1K OHM 1% 1/16W 0402", Device Package="0402 (1005 Metric)", Manufacturer=Yageo, Operating Temperature="-55°C ~ 155°C", Power (Watts)="0.063W, 1/16W", Ratings=AEC-Q200, Supplier Device Package=0402, Supplier Part Number 1=YAG3503CT-ND, Temperature Coefficient=±100ppm/°C, Tolerance=±1%, ComponentLink1Description=Datasheet, ComponentLink1URL=https://www.yageo.com/upload/media/product/productsearch/datasheet/rchip/PYu-AC_51_RoHS_L_7.pdf, ComponentLink2Description="DigiKey Link", ComponentLink2URL=https://www.digikey.com/en/products/detail/yageo/AC0402FR-075K1L/5895438, Composition="Thick Film", Features="Automotive AEC-Q200, Moisture Resistant", Height - Seated (Max)="0.015\" (0.37mm)", id=5028, LastUpdated=2023-01-02T20:21:09.567, Lifecycle Status=Active, Minimum Order=1, Number Of Terminations=2, Package / Case="0402 (1005 Metric)", Packaging=CutTape, Part Number=AC0402FR-075K1L, Part Status=Active, PartId=12111, Price=0.01, Resistance="5.1 kOhms", Series=AC, Size / Dimension="0.039\" L x 0.020\" W (1.00mm x 0.50mm)", Supplier 1=DigiKey
R2D R3D: library part CRCW0603330RFKEAC, "RES 330 OHM 1% 1/10W 0603", Device Package="0603 (1608 Metric)", Manufacturer="Vishay Dale", Operating Temperature="-55°C ~ 155°C", Power (Watts)="0.1W, 1/10W", Supplier Device Package=0603, Supplier Part Number 1=541-4026-1-ND, Temperature Coefficient=±100ppm/°C, Tolerance=±1%, ComponentLink1Description=Datasheet, ComponentLink1URL=http://www.vishay.com/docs/28773/crcwce3.pdf, ComponentLink2Description="DigiKey Link", ComponentLink2URL=https://www.digikey.com/en/products/detail/vishay-dale/CRCW0603330RFKEAC/7928448, Composition="Thick Film", Height - Seated (Max)="0.022\" (0.55mm)", id=3752, LastUpdated=2023-01-02T20:29:55.413, Lifecycle Status=Active, Minimum Order=1, Number Of Terminations=2, Package / Case="0603 (1608 Metric)", Packaging=CutTape, Part Number=CRCW0603330RFKEAC, Part Status=Active, PartId=12584, Price=0.01, Resistance="330 Ohms", Series=CRCW-C, Supplier 1=DigiKey
R3E R4A R7A R12A: library part AA0402FR-071KL, "RES SMD 1K OHM 1% 1/16W 0402", Device Package="0402 (1005 Metric)", Manufacturer=Yageo, Operating Temperature="-55°C ~ 155°C", Power (Watts)="0.063W, 1/16W", Ratings=AEC-Q200, Supplier Device Package=0402, Supplier Part Number 1=13-AA0402FR-071KLCT-ND, Temperature Coefficient=±150ppm/°C, Tolerance=±1%, ComponentLink1Description=Datasheet, ComponentLink1URL=https://www.yageo.com/upload/media/product/productsearch/datasheet/rchip/PYu-AA_51_RoHS_L_3.pdf, ComponentLink2Description="DigiKey Link", ComponentLink2URL=https://www.digikey.com/en/products/detail/yageo/AA0402FR-071KL/5887878, Composition="Thick Film", Features="Anti-Sulfur, Automotive AEC-Q200, Moisture Resistant", Height - Seated (Max)="0.015\" (0.37mm)", id=10598, LastUpdated=2023-01-02T20:20:10.210, Lifecycle Status=Active, Minimum Order=1, Number Of Terminations=2, Package / Case="0402 (1005 Metric)", Packaging=TapeAndReel, Part Number=AA0402FR-071KL, Part Status=Active, PartId=59178, Price=0.01, Resistance="1 kOhms", Series=AA, Size / Dimension="0.039\" L x 0.020\" W (1.00mm x 0.50mm)", Supplier 1=DigiKey
R3F_U_Relay1 R3F_U_Relay2: library part AT0603DRD071KL, "RES SMD 1K OHM 0.5% 1/10W 0603", Device Package="0603 (1608 Metric)", Manufacturer=Yageo, Operating Temperature="-55°C ~ 155°C", Power (Watts)="0.1W, 1/10W", Ratings=AEC-Q200, Supplier Device Package=0603, Supplier Part Number 1=YAG2115CT-ND, Temperature Coefficient=±25ppm/°C, Tolerance=±0.5%, ComponentLink1Description=Datasheet, ComponentLink1URL=http://www.yageo.com/documents/recent/PYu-AT_51_RoHS_L_5.pdf, ComponentLink2Description="DigiKey Link", ComponentLink2URL=https://www.digikey.com/en/products/detail/yageo/AT0603DRD071KL/5138634, Composition="Thin Film", Features="Anti-Sulfur, Automotive AEC-Q200, Moisture Resistant", Height - Seated (Max)="0.022\" (0.55mm)", id=26, LastUpdated=2023-01-02T20:30:26.797, Lifecycle Status=Active, Minimum Order=1, Number Of Terminations=2, Package / Case="0603 (1608 Metric)", Packaging=TapeAndReel, Part Number=AT0603DRD071KL, Part Status=Active, PartId=4899, Price=0.02, Resistance="1 kOhms", Series=AT, Size / Dimension="0.063\" L x 0.031\" W (1.60mm x 0.80mm)", Supplier 1=DigiKey
R3G R4B: library part AC0402FR-071ML, "RES SMD 1M OHM 1% 1/16W 0402", Device Package="0402 (1005 Metric)", Manufacturer=Yageo, Operating Temperature="-55°C ~ 155°C", Power (Watts)="0.063W, 1/16W", Ratings=AEC-Q200, Supplier Device Package=0402, Supplier Part Number 1=YAG3450CT-ND, Temperature Coefficient=±100ppm/°C, Tolerance=±1%, ComponentLink1Description=Datasheet, ComponentLink1URL=https://www.yageo.com/upload/media/product/productsearch/datasheet/rchip/PYu-AC_51_RoHS_L_7.pdf, ComponentLink2Description="DigiKey Link", ComponentLink2URL=https://www.digikey.com/en/products/detail/yageo/AC0402FR-071ML/5895164, Composition="Thick Film", Features="Automotive AEC-Q200, Moisture Resistant", Height - Seated (Max)="0.015\" (0.37mm)", id=4991, LastUpdated=2023-01-02T20:21:09.883, Lifecycle Status=Active, Minimum Order=1, Number Of Terminations=2, Package / Case="0402 (1005 Metric)", Packaging=CutTape, Part Number=AC0402FR-071ML, Part Status=Active, PartId=12043, Price=0.01, Resistance="1 MOhms", Series=AC, Size / Dimension="0.039\" L x 0.020\" W (1.00mm x 0.50mm)", Supplier 1=DigiKey